# Altium PCB CAN2XG.PcbDoc (part 1 of 2)
Units mil, origin at the board's own origin, x right, y up, seen from the top; angles counter-clockwise.
Board outline 2559.06 x 1653.54 mil, 2 copper layers (Top Layer, Bottom Layer), stack 61.89 mil thick; 125 components, 90 nets, 389 pads, 453 vias.
Unrouted connection lines stored in the file: 85.
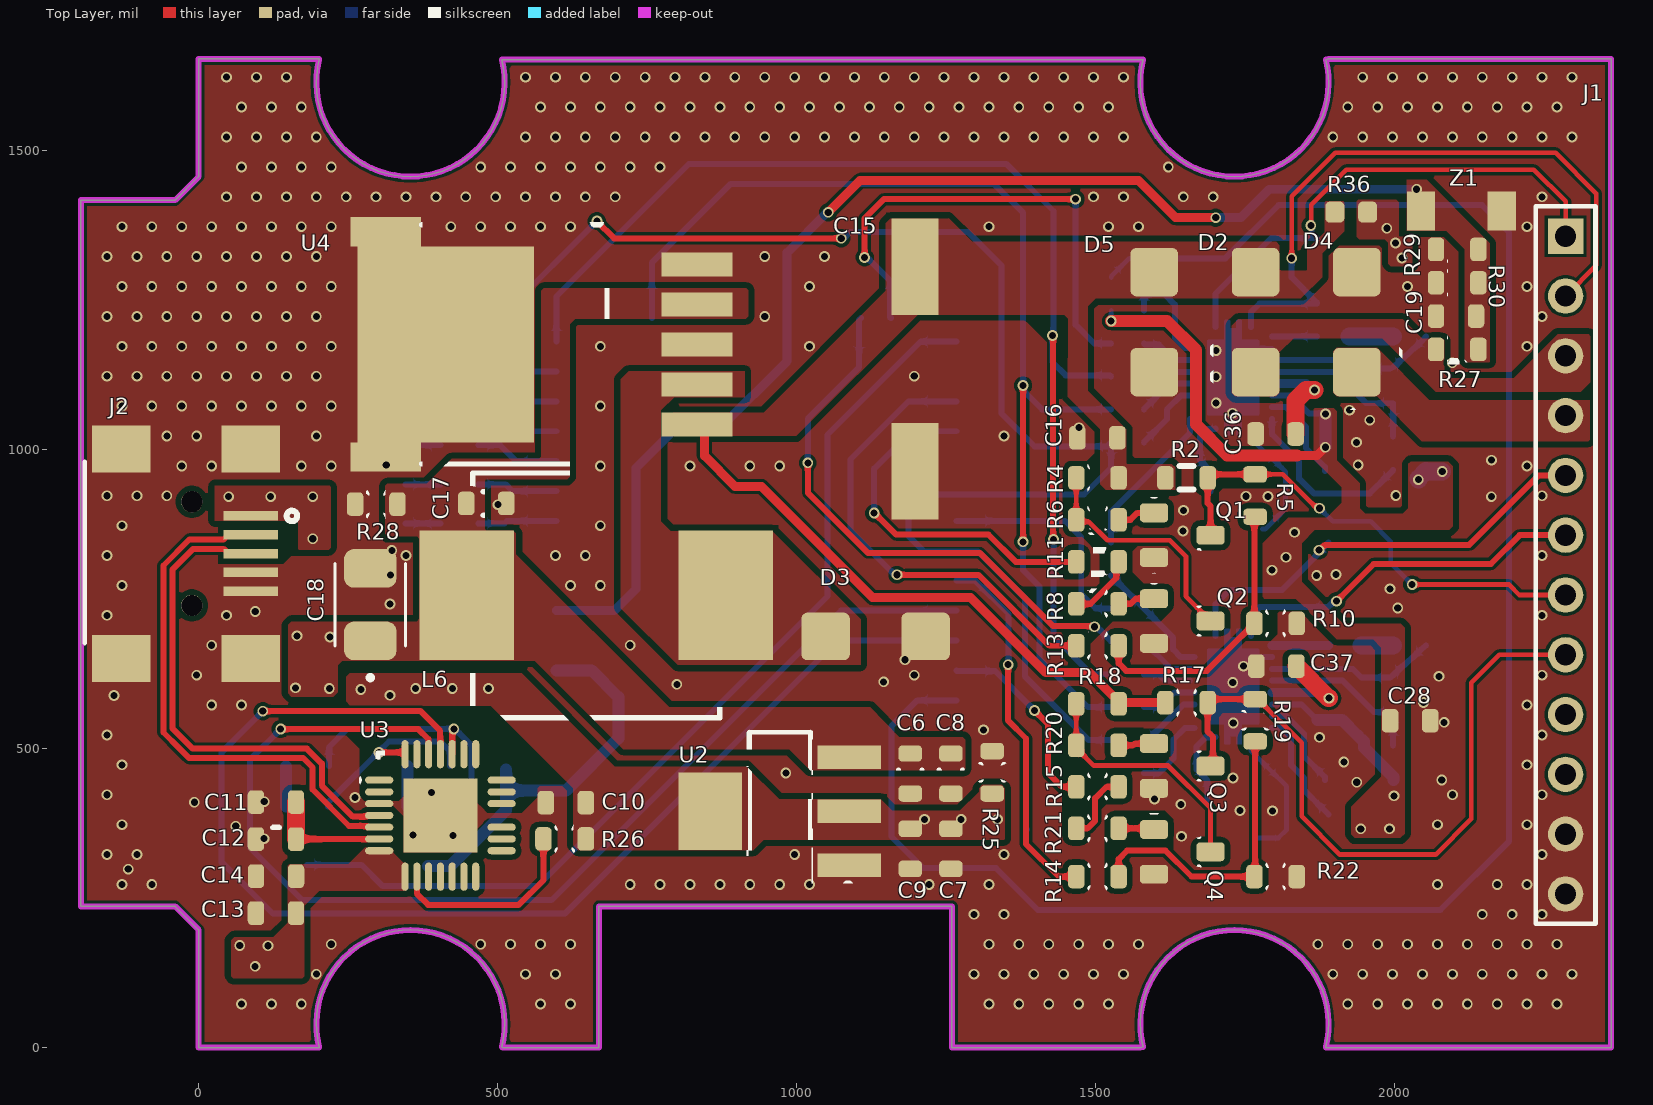
[diagram p0: Top Layer view]
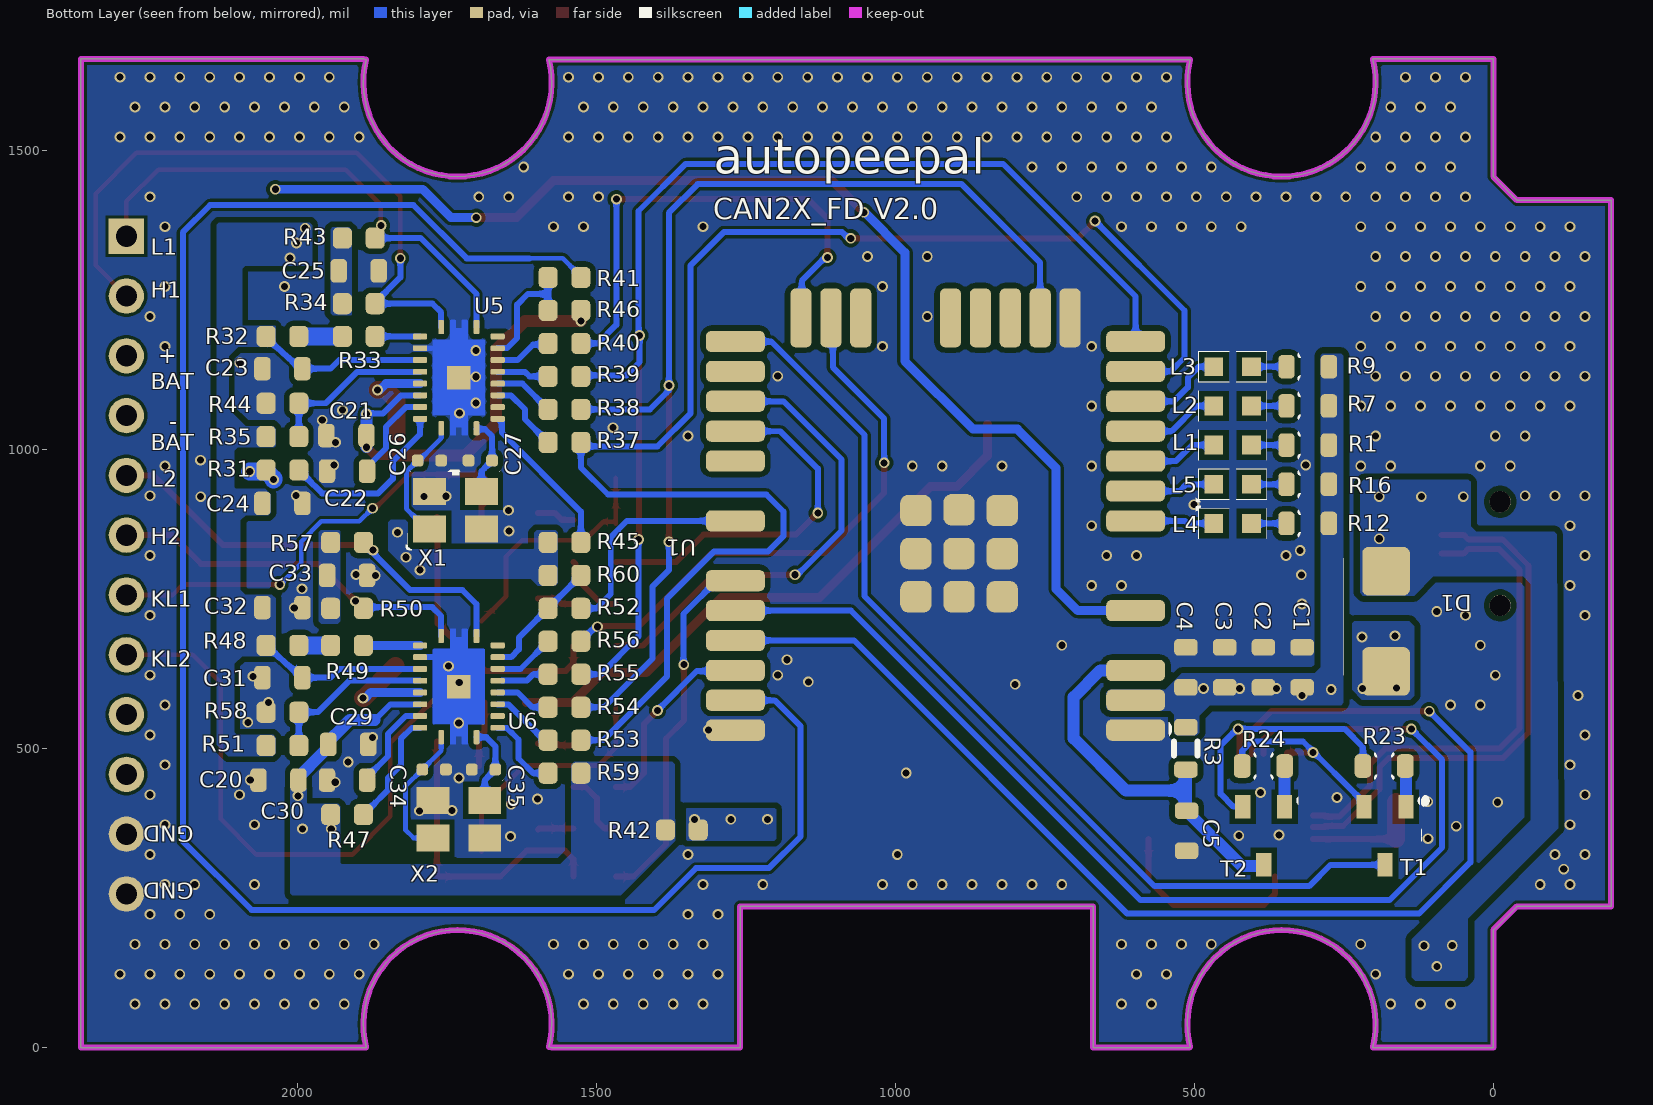
[diagram p1: Bottom Layer view, seen from below]
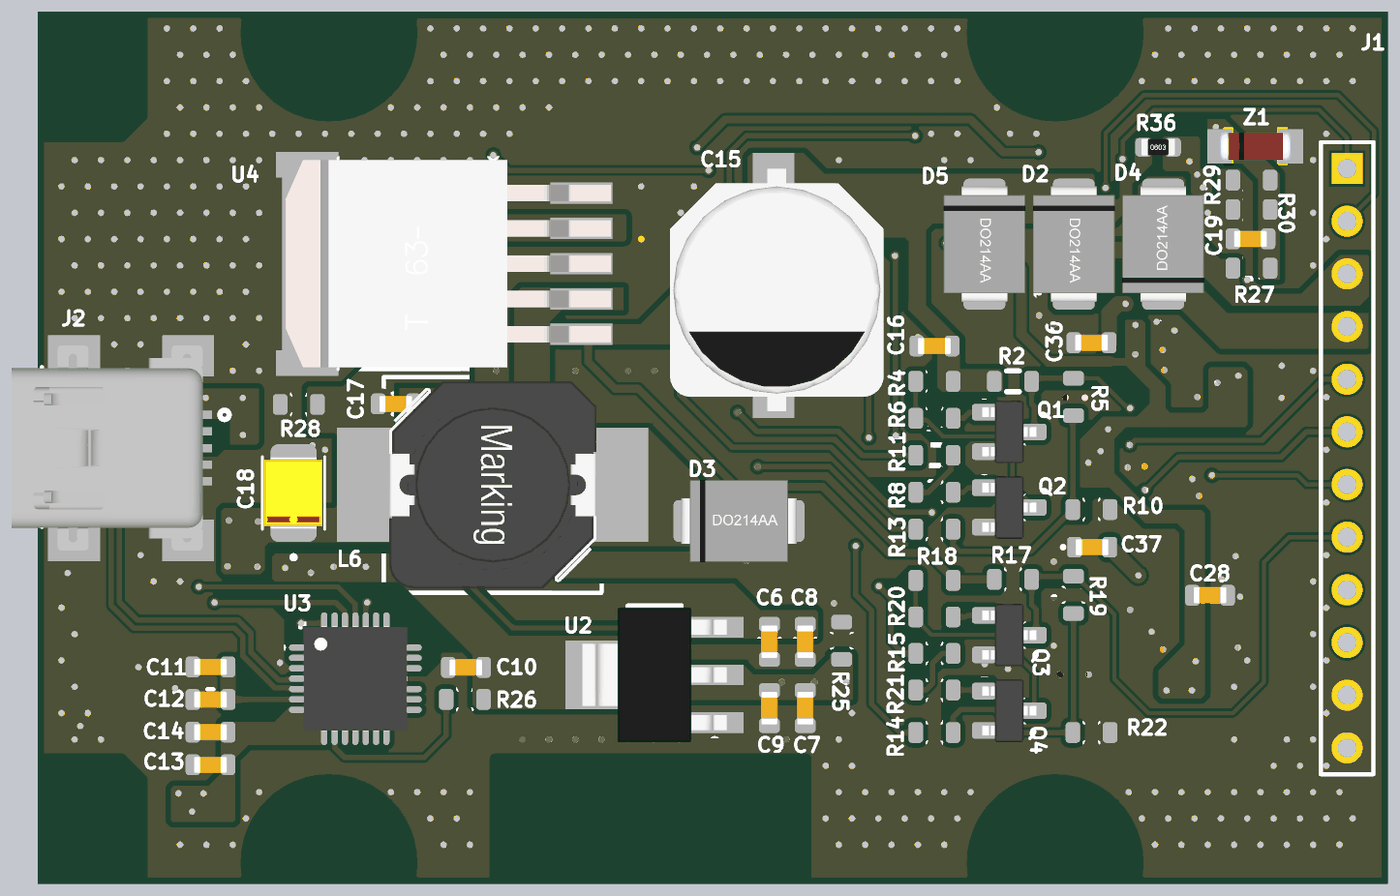
[diagram p3: 3D render of the assembled board from above, using the file's embedded part models]
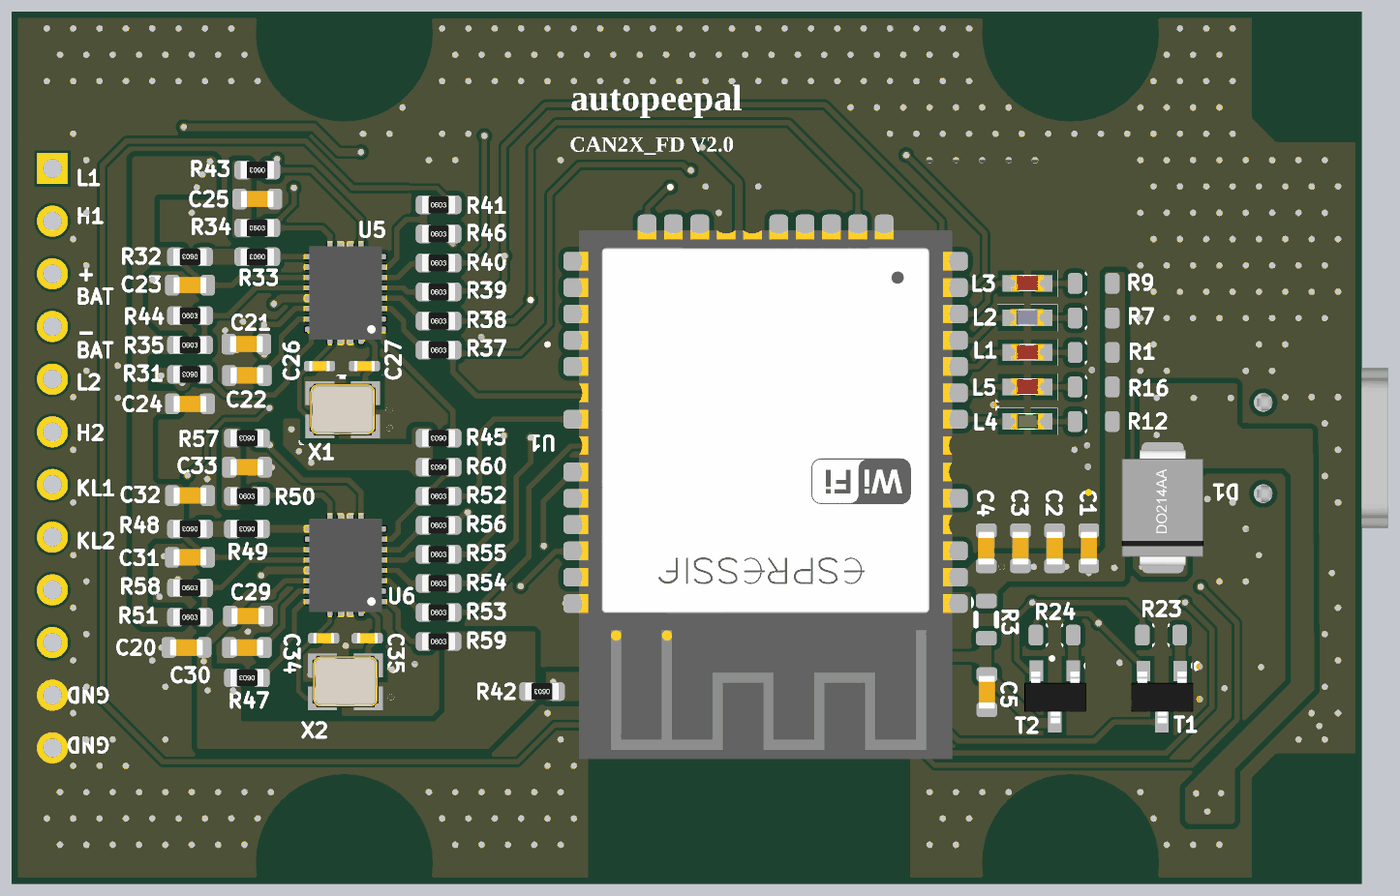
[diagram p4: 3D render of the assembled board from below, using the file's embedded part models]

## Layer stack, top to bottom
Top Solder: solder mask 0.3937, Solder Resist, Dk 3.5
Top Layer: signal copper 1.4173
Dielectric 1: dielectric 59.0551, FR-4, Dk 4.8
Bottom Layer: signal copper 1.4173
Bottom Solder: solder mask 0.3937, Solder Resist, Dk 3.5

## Board outline
0,0 0,196.85 -39.37,236.22 -196.85,236.22 -196.85,1417.32 -39.37,1417.32 0,1456.69 0,1653.54 201.55,1653.54 201.55,1652.37 ccw(c354.33,1614.17) 507.11,1652.37 1579.51,1652.37 ccw(c1732.28,1614.17) 1885.06,1652.37 1889.76,1653.54 2362.21,1653.54 2362.21,0 1885.06,0 1885.06,1.17 ccw(c1732.28,39.37) 1579.51,1.17 1574.8,0 1259.84,0 1259.84,236.22 669.29,236.22 669.29,0 508.29,0 507.11,1.17 ccw(c354.33,39.37) 201.55,1.17 201.55,0

## Design rules (kind name [scope] priority, off if disabled: settings)
BoardOutlineClearance [All] p1: gap=8 ignorepadtopadclearanceinfootprint=FALSE
Clearance [All] p1: gap=5 ignorepadtopadclearanceinfootprint=FALSE except(9: Track-Via SMDPad-Poly Poly-Hole; 10: Poly-Poly)
DiffPairsRouting [InDifferentialPair('DP')] p1: maxlimit=5.5 minlimit=5.5 mostfreqgap=5.5 toplayer_minwidth=10 toplayer_maxwidth=10 toplayer_prefwidth=10 bottomlayer_minwidth=10 bottomlayer_maxwidth=10 bottomlayer_prefwidth=10 impedanceprofiledriven=TRUE impedanceprofileid={3B357C9B-A33D-437C-836F-F0A06C2765CA} impedanceprofilevalue=90.000000 maxuncoupledlength=500
HoleSize [All] p1: absolutevalues=TRUE maxlimit=196.85 minlimit=1 maxpercent=80.000 minpercent=20.000
MinimumSolderMaskSliver [All] p1: minsoldermaskwidth=0.39
PlaneConnect [All] p1: planeconnectstyle=Direct reliefexpansion=20 reliefentries=4 reliefconductorwidth=10 reliefairgap=10
PolygonConnect [All] p1: connectstyle=Direct reliefconductorwidth=10 reliefentries=4 polygonreliefangle="90 Angle" airgapwidth=10
RoutingPriority [All] p1: routingpriority=4
RoutingVias [All] p1: holewidth=11.81 width=17.99 viastyle="Through Hole" minholewidth=11.81 minwidth=17.99 maxholewidth=11.81 maxwidth=17.99
SilkToSilkClearance [All] p1: silktosilkclearance=0
SilkToSolderMaskClearance [IsPad] p1: minsilkscreentomaskgap=0 clearancetoexposedcopper=TRUE
SolderMaskExpansion [IsVia] p1: expansion=4 istentingtop=TRUE
Width [All] p1: maxlimit=78.74 minlimit=7.87 preferedwidth=10 minimp=50.000000 maximp=50.000000 favimp=50.000000
23 further rules are at their usual default settings.

## Classes and differential pairs
component class CAN2XG_TCAN: C20 C21 C22 C23 C24 C25 C26 C27 C28 C29 C30 C31 C32 C33 C34 C35 C36 C37 R31 R32 R33 R34 R35 R36 R37 R38 R39 R40 R41 R42 R43 R44 R45 R46 R47 R48 R49 R50 R51 R52 R53 R54 R55 R56 R57 R58 R59 R60 U5 U6 X1 X2
differential pair class 91: DP
differential pair class 90: DP
component class CAN2XG: C1 C2 C3 C4 C5 C6 C7 C8 C9 C10 C11 C12 C13 C14 C15 C16 C17 C18 C19 D1 D2 D3 D4 D5 eoseoeeee J1 J2 L1 L2 L3 L4 L5 L6 Q1 Q2 Q3 Q4 R1 R2 R3 R4 R5 R6 R7 R8 R9 R10 R11 R12 R13 R14 R15 R16 R17 R18 R19 R20 R21 R22 R23 R24 R25 R26 R27 R28 R29 R30 T1 T2 U1 U2 U3 U4 Z1
differential pair DP: +DP_P -DP_N

## Components (designator, comment, footprint, x,y, rotation, side; value= is the part's Value field where it differs from the comment)
C1 "" CAP-0603 319.75,636.03 r270 bottom value=4.7uF
C2 "" CAP-0603 384.55,636.03 r270 bottom value=4.7uF
C3 "" CAP-0603 449.35,636.03 r270 bottom value=100nF
C4 "" CAP-0603 514.15,636.03 r270 bottom value=100nF
C5 "" CAP-0603 513.15,362.63 r90 bottom value=100nF
C6 "" CAP-0603 1190.15,458.46 r90 top value=4.7uF
C7 "" CAP-0603 1258.15,332.47 r90 top value=4.7uF
C8 "" CAP-0603 1258.15,458.46 r90 top value=100nF
C9 "" CAP-0603 1190.15,332.47 r90 top value=10uF
C10 "" CAP-0603 614.12,409.66 r0 top value=100nF
C11 "" CAP-0603 129.41,410.66 r0 top value=4.7uF
C12 "" CAP-0603 129.41,348.73 r0 top value=100nF
C13 "" CAP-0603 129.41,224.88 r0 top value=4.7uF
C14 "" CAP-0603 129.42,286.78 r0 top value=100nF
C15 "" "C200uF 10x10.2" 1194.15,1306.24 r270 top value=220uF
C16 "" CAP-0603 1503.15,1020.03 r0 top value=100nF
C17 "" CAP-0603 481.11,910.06 r180 top value=100nF
C18 "" C100uF 287.15,740.86 r90 top value=100uF
C19 "" CAP-0603 2102.84,1223.44 r0 top value=100nF
C20 "" CAP-0603 2031.81,447.48 r180 bottom value=10uF
C21 "" CAP-0603 1918.13,1023.6 r180 bottom value=100nF
C22 "" CAP-0603 1917.15,964.04 r180 bottom value=0.33uF
C23 "" CAP-0603 2025.21,1135.43 r180 bottom value=100nF
C24 "" CAP-0603 2025.16,910.16 r0 bottom value=10uF
C25 "" CAP-0603 1897.48,1299.07 r0 bottom value=4.7nF
C26 "" CAPC0402 1779.32,981.83 r0 bottom value=9pF
C27 "" CAPC0402 1694.21,981.83 r180 bottom value=9pF
C28 "" CAP-0603 2026.19,546.68 r180 top value=10uF
C29 "" CAP-0603 1915.15,507.06 r0 bottom value=100nF
C30 "" CAP-0603 1917.15,447.48 r180 bottom value=0.33uF
C31 "" CAP-0603 2025.21,618.74 r180 bottom value=100nF
C32 "" CAP-0603 2025.15,736 r0 bottom value=10uF
C33 "" CAP-0603 1917.1,789.72 r0 bottom value=4.7nF
C34 "" CAPC0402 1771.49,465.14 r0 bottom value=9pF
C35 "" CAPC0402 1688.81,465.14 r180 bottom value=9pF
C36 "" CAP-0603 1801.15,1026.25 r0 top value=10uF
C37 "" CAP-0603 1802.37,638.01 r0 top value=10uF
D1 "" DO214 184.48,713 r90 bottom
D2 "" DO214 1772.65,1213.31 r270 top
D3 "" DO214 1132.15,692.72 r0 top
D4 "" DO214 1932.13,1213.31 r90 top
D5 "" DO214 1603.17,1213.31 r270 top
J1 "" HDR1X12 2286.17,1357 r270 top
J2 "" 1734035-2USB -21.12,826.21 r0 top
L1 "" LEDRED0603 436.16,1007.78 r180 bottom
L2 "" LEDBLUE0603 436.16,1073.31 r180 bottom
L3 "" LEDRED0603 436.16,1138.85 r180 bottom
L4 "" LEDGREEN0603 436.16,876.71 r180 bottom
L5 "" LEDRED0603 436.16,942.25 r180 bottom
L6 "" "IND-WE-PD 1050-10X10X5MM" 665.06,756.22 r180 top value=68uH
Q1 "" SOT95P245X93-3N 1645.15,856.94 r0 top
Q2 "" SOT95P245X93-3N 1645.15,713.46 r0 top
Q3 "" SOT95P245X93-3N 1645.15,471.06 r0 top
Q4 "" SOT95P245X93-3N 1645.15,327.46 r0 top
R1 "" RESC1608X55X30ML15T15 310.55,1007.7 r0 bottom value=1K
R2 "" RESC1608X55X30ML15T15 1652.15,952.82 r180 top value=1K
R3 "" RESC1608X55X30ML15T15 514.15,500.53 r90 bottom value=10K
R4 "" RESC1608X55X30ML15T15 1503.15,952.82 r0 top value=15K
R5 "" RESC1608X55X30ML15T15 1767,923.3 r90 top value=4K7
R6 "" RESC1608X55X30ML15T15 1503.15,882.65 r180 top value=15K
R7 "" RESC1608X55X30ML15T15 310.55,1073.24 r0 bottom value=1K
R8 "" RESC1608X55X30ML15T15 1503.15,742.3 r180 top value=15K
R9 "" RESC1608X55X30ML15T15 310.55,1138.77 r0 bottom value=1K
R10 "" RESC1608X55X30ML15T15 1801.15,709.53 r180 top value=4K7
R11 "" RESC1608X55X30ML15T15 1503.15,812.48 r180 top value=4K7
R12 "" RESC1608X55X30ML15T15 310.55,876.64 r0 bottom value=1K
R13 "" RESC1608X55X30ML15T15 1503.15,672.13 r180 top value=4K7
R14 "" RESC1608X55X30ML15T15 1503.15,286.13 r180 top value=4K7
R15 "" RESC1608X55X30ML15T15 1503.15,436.2 r180 top value=4K7
R16 "" RESC1608X55X30ML15T15 310.55,942.17 r0 bottom value=1K
R17 "" RESC1608X55X30ML15T15 1652.15,577 r180 top value=1K
R18 "" RESC1608X55X30ML15T15 1503.15,575 r0 top value=15K
R19 "" RESC1608X55X30ML15T15 1767,547.47 r90 top value=4K7
R20 "" RESC1608X55X30ML15T15 1503.15,505.6 r180 top value=15K
R21 "" RESC1608X55X30ML15T15 1503.15,366.8 r180 top value=15K
R22 "" RESC1608X55X30ML15T15 1801.15,286.13 r180 top value=4K7
R23 "" RESC1608X55X30ML15T15 182.68,471 r0 bottom value=10K
R24 "" RESC1608X55X30ML15T15 384.62,471 r0 bottom value=10K
R25 "" RESC1608X55X30ML15T15 1327.15,460.42 r270 top value=1M
R26 "" RESC1608X55X30ML15T15 612.15,349 r180 top value=4K7
R27 "" RESC1608X55X30ML15T15 2104.81,1167.67 r180 top value=4K7
R28 "" RESC1608X55X30ML15T15 297.15,909 r0 top value=1M
R29 "" RESC1608X55X30ML15T15 2104.81,1334.98 r0 top value=12K
R30 "" RESC1608X55X30ML15T15 2104.81,1279.21 r0 top value=12K
R31 "" RESC0603 2025.15,966 r0 bottom value=10K
R32 "" RESC0603 2025.15,1189.37 r0 bottom value=3K
R33 "" RESC0603 1897.49,1189.37 r0 bottom value=33K
R34 "" RESC0603 1897.49,1244.22 r180 bottom value=60.4R
R35 "" RESC0603 2025.15,1021.83 r180 bottom value=0R
R36 "" RESC0603 1927.69,1397.37 r0 top value=0R
R37 "" RESC0603 1553.47,1012.25 r180 bottom value=0R
R38 "" RESC0603 1553.47,1067.39 r180 bottom value=0R
R39 "" RESC0603 1553.47,1122.53 r180 bottom value=0R
R40 "" RESC0603 1553.47,1177.68 r180 bottom value=0R
R41 "" RESC0603 1553.47,1287.97 r180 bottom value=0R
R42 "" RESC0603 1357.15,364 r0 bottom value=0R
R43 "" RESC0603 1897.49,1354 r0 bottom value=60.4R
R44 "" RESC0603 2025.15,1077.67 r180 bottom value=10K
R45 "" RESC0603 1553.47,845 r0 bottom value=10K
R46 "" RESC0603 1553.47,1232.83 r180 bottom value=10K
R47 "" RESC0603 1917.09,389.83 r0 bottom value=10K
R48 "" RESC0603 2025.15,672.68 r0 bottom value=3K
R49 "" RESC0603 1917.09,672.68 r0 bottom value=33K
R50 "" RESC0603 1917.09,734.69 r180 bottom value=60.4R
R51 "" RESC0603 2025.15,505.14 r180 bottom value=0R
R52 "" RESC0603 1553.47,734.72 r180 bottom value=0R
R53 "" RESC0603 1553.47,514.15 r180 bottom value=0R
R54 "" RESC0603 1553.47,569.29 r180 bottom value=0R
R55 "" RESC0603 1553.47,624.44 r180 bottom value=0R
R56 "" RESC0603 1553.47,679.58 r180 bottom value=0R
R57 "" RESC0603 1917.09,845 r0 bottom value=60.4R
R58 "" RESC0603 2025.15,560.99 r180 bottom value=10K
R59 "" RESC0603 1553.47,459.01 r180 bottom value=10K
R60 "" RESC0603 1553.47,789.86 r0 bottom value=10K
T1 "" 2N2222 181.26,352.91 r270 bottom
T2 "" 2N2222 384.19,352.98 r270 bottom
U1 "" Espressif_Systems_ESP32-WROOM-32D_MFG 932.94,738.03 r0 bottom
U2 "" SOT223 972.15,395.46 r180 top
U3 "" QFN50P500X500X100_HS-29N 404.39,388.36 r0 top
U4 "" to-263 342.84,1176.22 r0 top
U5 "" IC_TCAN4550RGYTQ1 1730.11,1120.47 r0 bottom
U6 "" IC_TCAN4550RGYTQ1 1730.11,603.79 r0 bottom
X1 "" CRYSTAL_3225 1735.55,898.83 r180 bottom
X2 "" CRYSTAL_3225 1730.15,382.14 r180 bottom
Z1 "" SOD80 2112.19,1398.98 r0 top

## Footprints (in the part's own frame and the unit in brackets; to place one, negate y for a bottom-side part, rotate by r counter-clockwise, add the part's x,y. Pads: shape width x height; smd on the part's side, far side on the other; paste and mask are expansions set on the pad)
2N2222 [mm] "MMBT2222"
  rect 1x0.65 smd: 1(-1.27,0.889) 2(-1.27,-0.889) 3(1.2,0)
  silkscreen extent -1.77,1.4 0.21,1.91, body extent -1.25,-1.48 1.25,1.52, height 1.1
1734035-2USB [mm]
  rect 2.3x0.4 smd: 1(2.75,1.6) 2(2.75,0.8) 3(2.75,0) 4(2.75,-0.8) 5(2.75,-1.6)
  rect 2.5x2 smd: 6(-2.75,-4.45) 6(-2.75,4.45) 6(2.75,-4.45) 6(2.75,4.45)
  round 0.9 hole 0.9 unplated: 10(0.25,2.2) 11(0.25,-2.2)
  silkscreen extent -4.3,-3.8 4.72,3.9, body extent -5.75,-4.95 3.45,4.95, height 4.14
C100uF [mm] "Tantalum Capacitor 3528"
  rrect50% 1.64x2.23 smd: 1(-1.54,0) 2(1.54,0)
  silkscreen extent -3.2,-1.5 1.75,1.5, body extent -1.75,-1.4 1.75,1.4, height 2.1
"C200uF 10x10.2" [mm] "Electrolytic Capacitor"
  rect 4.1x2 smd: 1(0.001,0.098) 2(8.701,0.098)
  body extent -1.28,-4.9 10.42,5.4, height 10.3
CAP-0603 [mm]
  rrect50% 0.7x1 smd: 1(-0.85,0) 2(0.85,0)
  body extent -0.8,-0.4 0.8,0.4, height 0.8
CAPC0402 [mm]
  rrect50% 0.5x0.5 smd: 1(-0.5,0) 2(0.5,0)
  body extent -0.5,-0.25 0.5,0.25, height 0.42
CRYSTAL_3225 [mm] "3225 pack"
  rect 1.4x1.15 smd: 1(-1.1,-0.8) 2(1.1,-0.8) 3(1.1,0.8) 4(-1.1,0.8)
  silkscreen extent -2.11,-1.71 1.89,1.71, body extent -1.6,-1.23 1.6,1.27, height 0.6
DO214 [mm] "1N4007"
  rrect25% 2.06x2.02 smd: 1(-2.125,-0.127) 2(2.125,-0.127)
  silkscreen extent -2.29,1.69 2.67,1.69, body extent -2.79,-2.1 2.79,1.85, height 2.64
Espressif_Systems_ESP32-WROOM-32D_MFG [mm]
  rrect50% 2.5x0.9 smd: 1(-8.5,5.26) 2(-8.5,3.99) 3(-8.5,2.72) 5(-8.5,0.18) 8(-8.5,-3.63) 9(-8.5,-4.9) 10(-8.5,-6.17) 11(-8.5,-7.44) 12(-8.5,-8.71) 13(-8.5,-9.98) 14(-8.5,-11.25) 25(8.5,-11.25) 26(8.5,-9.98) 27(8.5,-8.71) 28(8.5,-7.44) 29(8.5,-6.17) 31(8.5,-3.63) 33(8.5,-1.09) 34(8.5,0.18) 35(8.5,1.45) 36(8.5,2.72) 37(8.5,3.99) 38(8.5,5.26)
  rrect50% 0.9x2.5 smd: 15(-5.715,-12.25) 16(-4.445,-12.25) 17(-3.175,-12.25) 18(-1.905,-12.25) 19(-0.635,-12.25) 22(3.175,-12.25) 23(4.445,-12.25) 24(5.715,-12.25)
  rrect50% 1.33x1.33 smd: 39(-2.835,-4.075) 39(-2.835,-2.24) 39(-2.835,-0.405) 39(-1,-4.1) 39(-1,-2.24) 39(-1,-0.405) 39(0.835,-4.075) 39(0.835,-2.24) 39(0.835,-0.405)
  silkscreen extent -10.04,4.92 -9.91,5.51, body extent -9,-12.75 9,12.75, height 3.2
HDR1X12 [mm] "Connector; Header; 12 Position"
  rect 1.5x1.5 hole 0.9: 1(0,0)
  round 1.5 hole 0.9: 2(2.54,0) 3(5.08,0) 4(7.62,0) 5(10.16,0) 6(12.7,0) 7(15.24,0) 8(17.78,0) 9(20.32,0) 10(22.86,0) 11(25.4,0) 12(27.94,0)
  silkscreen extent -1.27,-1.27 29.21,1.27
IC_TCAN4550RGYTQ1 [mm]
  rrect42% 0.25x0.6 smd: 1(-0.75,2.15) 10(-0.75,-2.15) 11(0.75,-2.15) 20(0.75,2.15)
  rrect42% 0.6x0.25 smd: 2(-1.65,1.75) 3(-1.65,1.25) 4(-1.65,0.75) 5(-1.65,0.25) 6(-1.65,-0.25) 7(-1.65,-0.75) 8(-1.65,-1.25) 9(-1.65,-1.75) 12(1.65,-1.75) 13(1.65,-1.25) 14(1.65,-0.75) 15(1.65,-0.25) 16(1.65,0.25) 17(1.65,0.75) 18(1.65,1.25) 19(1.65,1.75)
  rect 1x1 smd: 21(0,0)
  Top Layer region: 381 vertices and 0 holes, not listed, extent -1.1,-2.45 1.1,2.45
  body extent -1.75,-2.25 1.75,2.25, height 1
"IND-WE-PD 1050-10X10X5MM" [mm] "SMD Inductor, 2-Leads, Body 10,0x10.2,X5"
  rect 4x5.5 smd: 1(-5.5,0) 2(5.5,0)
  silkscreen extent -5.35,-5.3 5.35,5.3, body extent -5,-5 5,5, height 4.75
LEDBLUE0603 [mm]
  rect 0.8x0.8 smd: 1(-0.8,-0.002) 2(0.8,-0.002)
  silkscreen extent -1.45,-0.65 1.45,0.65, body extent -0.82,-0.38 0.78,0.42, height 0.6
LEDGREEN0603 [mm]
  rect 0.8x0.8 smd: 1(-0.8,-0.002) 2(0.8,-0.002)
  silkscreen extent -1.55,-0.65 1.45,0.75, body extent -0.8,-0.4 0.8,0.4, height 0.6
LEDRED0603 [mm]
  rect 0.8x0.8 smd: 1(-0.8,-0.002) 2(0.8,-0.002)
  silkscreen extent -1.45,-0.65 1.45,0.65, body extent -0.8,-0.38 0.8,0.42, height 0.6
QFN50P500X500X100_HS-29N [mm] "QFN, 28-Leads, Body 5.00x5.00mm, Pitch 0.50mm, Thermal Pad 3.13x3.13mm, IPC Medium Density"
  oval 1.2x0.3 smd: 1(-2.6,1.5) 2(-2.6,1) 3(-2.6,0.5) 4(-2.6,0) 5(-2.6,-0.5) 6(-2.6,-1) 7(-2.6,-1.5) 15(2.6,-1.5) 16(2.6,-1) 17(2.6,-0.5) 19(2.6,0.5) 20(2.6,1) 21(2.6,1.5)
  oval 0.3x1.2 smd: 8(-1.5,-2.6) 9(-1,-2.6) 10(-0.5,-2.6) 11(0,-2.6) 12(0.5,-2.6) 13(1,-2.6) 14(1.5,-2.6) 22(1.5,2.6) 23(1,2.6) 24(0.5,2.6) 25(0,2.6) 26(-0.5,2.6) 27(-1,2.6) 28(-1.5,2.6)
  rect 3.13x3.13 smd: 29(0,0)
  silkscreen extent -3.46,1.33 -2.36,2.75, body extent -2.52,-2.52 2.52,2.52, height 0.9
RESC0603 [mm]
  rrect50% 0.81x0.9 smd: 1(-0.695,0) 2(0.695,0)
  body extent -0.8,-0.4 0.8,0.4, height 0.45
RESC1608X55X30ML15T15 [mm] "Chip Resistor, 2-Leads, Body 1.60x0.80mm, IPC Low Density"
  rrect50% 0.7x1 smd: 1(-0.9,0) 2(0.9,0)
  silkscreen extent 0.3,-0.59 0.43,0.59, body extent -0.87,-0.48 0.87,0.48, height 0.55
SOD80 [mm] "5.1V Zener Diode"
  rect 1.2x1.65 smd: 1(-1.727,0) 2(1.702,0)
  silkscreen extent -0.89,0.71 -0.88,0.72, body extent -1.72,-0.75 1.73,0.75, height 1.49
SOT95P245X93-3N [mm] "SOT23, 3-Leads, Body 2.92x2.45mm, Pitch 0.95mm, IPC Medium Density"
  rrect40% 1.2x0.8 smd: 1(-1.2,0.95) 2(-1.2,-0.95) 3(1.2,0)
  silkscreen extent -1.36,-0.66 0.8,1.61, body extent -1.3,-1.51 1.3,1.51, height 0.93
SOT223 [mm] "SOT223, 4-Leads, Body 6.5x3.5mm, Pitch 2.3mm, Lead Span 7mm, IPC Low Density"
  rect 2.7x1 smd: 1(-2.95,2.3) 2(-2.95,0) 3(-2.95,-2.3)
  rect 2.7x3.3 smd: 4(2.95,0)
  silkscreen extent -3.1,-3.45 1.4,3.05, body extent -3.48,-3.25 3.48,3.25, height 1.7
to-263 [mm]
  rect 3x1.02 smd: 1(12.461,-3.4) 2(12.461,-1.7) 3(12.461,0) 4(12.461,1.7) 5(12.461,3.4)
  rect 7.5x8.33 smd: 6(1.786,0)
  rect 3x1.235 smd: 7(-0.754,4.782) 8(-0.754,-4.782)